# Altium PCB PCB_control_unit_1.PcbDoc (continued)
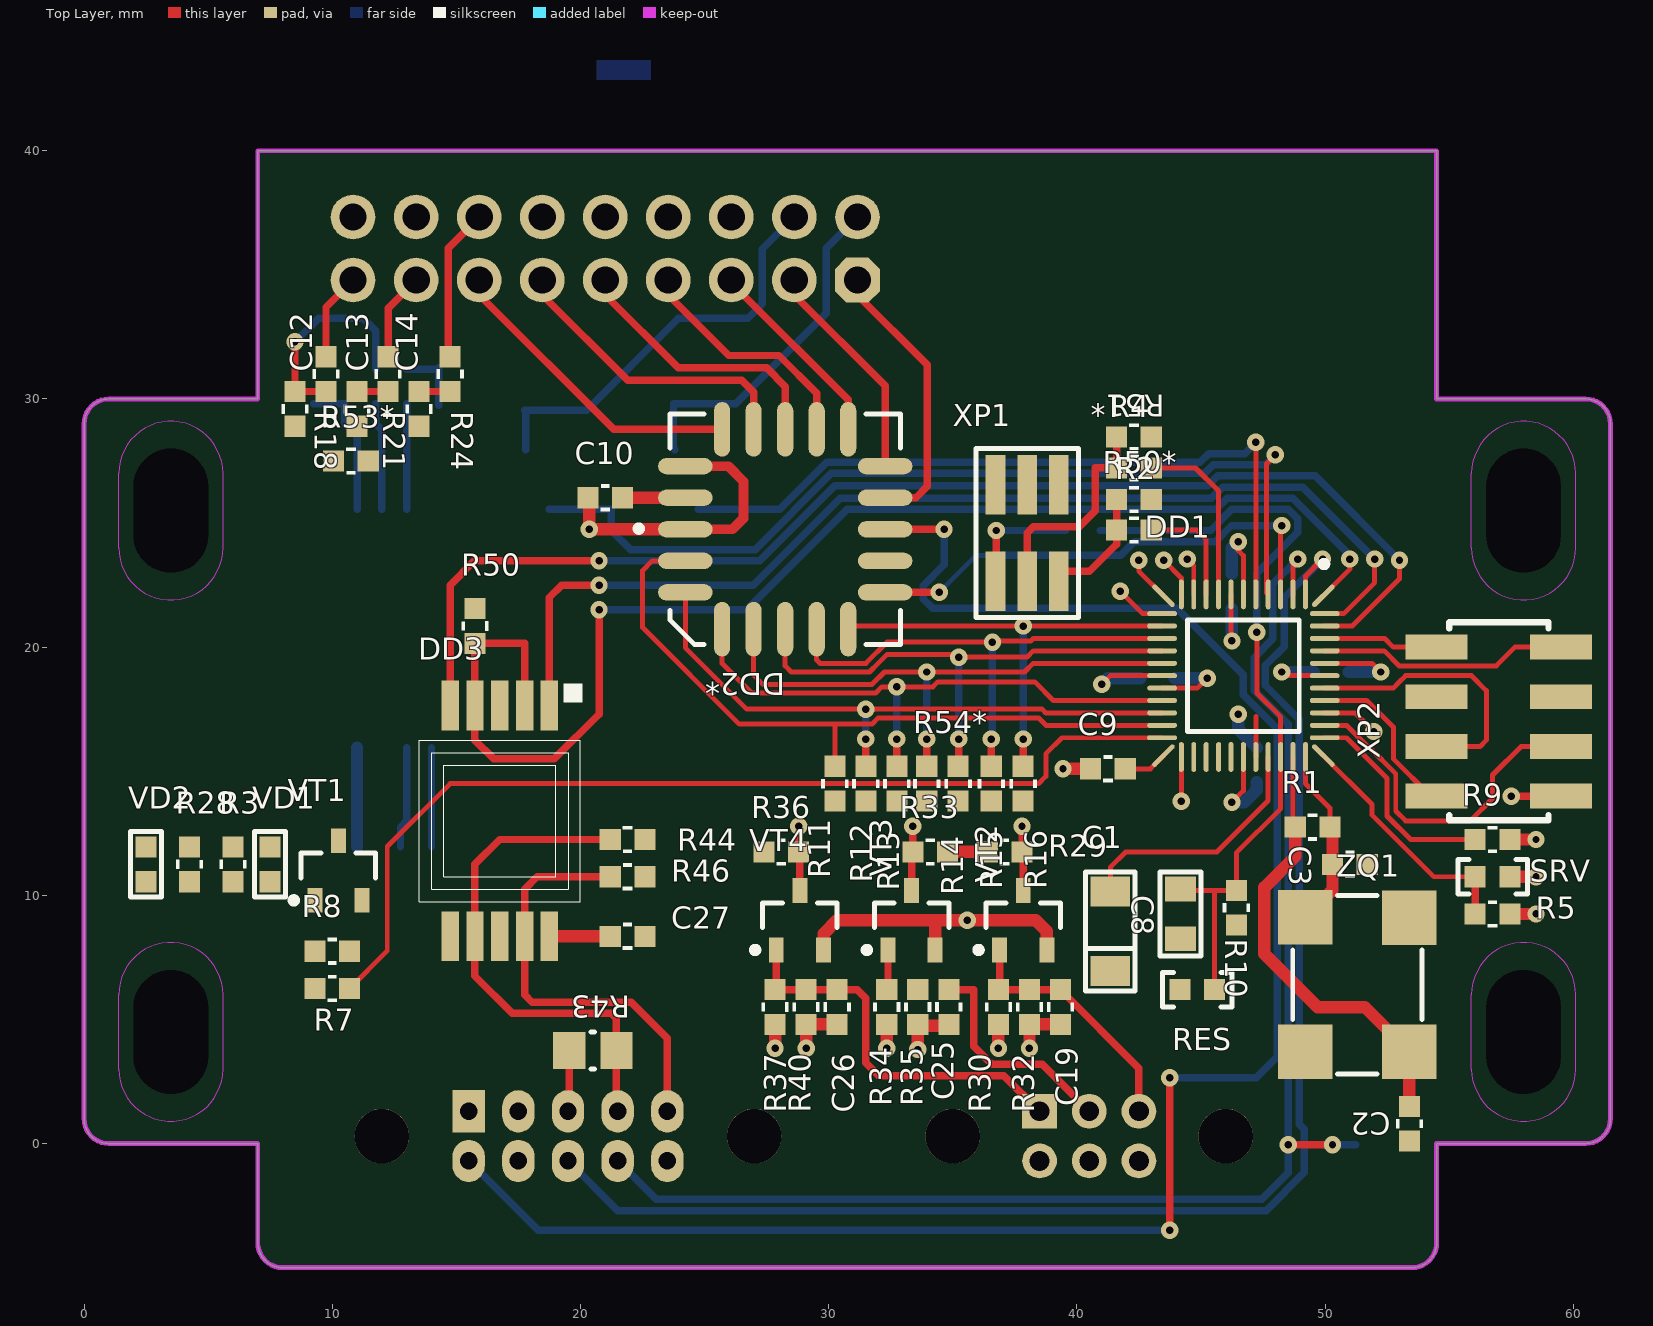
[diagram p0: Top Layer view]
## Components (designator, comment, footprint, x,y, rotation, side; value= is the part's Value field where it differs from the comment) (continued)
RES "ValueManufacturerPartNumber" "CON: JUMPER X1" 44.85,6.2 r0 top
SRV "ValueManufacturerPartNumber" "CON: JUMPER X1" 56.75,10.75 r180 top (schematic designator 1*)
VD1 "LED, 20mA max, 2.1V typ, 1608, -55...+150°C" "LED: 0603G" 7.5,11.25 r90 top
VD2 "LED, 20mA max, 2.1V typ, 1608, -55...+150°C" "LED: 0603G" 2.5,11.25 r90 top
VD3 "Diode array common anode, 50V, 200mA, 1.1V, , SOT-23," SOT23#1 52.434,0.9 r0 bottom
VT1 "NPN transistor, 30V, 100mA, , 300mW, 0.7V, 500, SOT-23 (КТ-46), -55...+125°C" SOT23#2 10.25,11 r90 top
VT2 "NPN transistor, 30V, 100mA, , 300mW, 0.7V, 500, SOT-23 (КТ-46), -55...+125°C" SOT23#2 37.842,9 r90 top
VT3 "NPN transistor, 30V, 100mA, , 300mW, 0.7V, 500, SOT-23 (КТ-46), -55...+125°C" SOT23#2 33.342,9 r90 top
VT4 "NPN transistor, 30V, 100mA, , 300mW, 0.7V, 500, SOT-23 (КТ-46), -55...+125°C" SOT23#2 28.842,9 r90 top
VT5 "NPN transistor, 30V, 100mA, , 300mW, 0.7V, 500, SOT-23 (КТ-46), -55...+125°C" SOT23#1 18.75,26.75 r270 bottom
VT6 "NPN transistor, 30V, 100mA, , 300mW, 0.7V, 500, SOT-23 (КТ-46), -55...+125°C" SOT23#1 24.75,26.75 r270 bottom
XP1 "Connector, 6pin, 1.27mm, 125VAC, 1A" "CON: PLLD-6-S" 38,24.6 r0 top
XP2 "СНП377" "CON: PLD2-8-S" 57,17 r90 top
XP4 "Вилка, 6pin, 2mm, 120VAC, 1.5A" "CON: M80-5000605" 40.5,0.3 r270 bottom locked
XP5 "Вилка, 10pin, 2mm, 100V, 1.5A" "CON: M80-5001005" 19.5,0.3 r270 bottom locked
XS1 "Connector, 18pin, 2.54mm, 500VAC, 3A" "CON: PBD-18" 10.84,37.33 r180 bottom locked
ZQ1 "Oscilator, 12MHz, CMOS, ±30ppm, case 5070, -40...+85°C" "OSC: 5070G" 49.2,3.7 r90 top

## Footprints (in the part's own frame and the unit in brackets; to place one, negate y for a bottom-side part, rotate by r counter-clockwise, add the part's x,y. Pads: shape width x height; smd on the part's side, far side on the other; paste and mask are expansions set on the pad)
16-Н04.16-1B [mm] "USSR"
  rect 0.7x4.4 smd mask+0.05: 1(-0.5,4.8) 8(-0.5,-4.8) 9(0.5,-4.8) 16(0.5,4.8)
  rect 4.4x0.7 smd mask+0.05: 2(-4.8,2.5) 3(-4.8,1.5) 4(-4.8,0.5) 5(-4.8,-0.5) 6(-4.8,-1.5) 7(-4.8,-2.5) 10(4.8,-2.5) 11(4.8,-1.5) 12(4.8,-0.5) 13(4.8,0.5) 14(4.8,1.5) 15(4.8,2.5)
  silkscreen extent -4.77,-4.77 4.77,6.4, body extent -7.84,-8 7.84,8, height 2.92
"20-QLCC (5121.20-A)" [mm] "LCC, 20-Pins, Body 8,89x8,89mmx2,55mm, Pitch 1,27mm, IPC Medium Density"
  oval 2.2x0.65 smd: 1(4.025,0) 2(4.025,1.27) 3(4.025,2.54) 9(-4.025,2.54) 10(-4.025,1.27) 11(-4.025,0) 12(-4.025,-1.27) 13(-4.025,-2.54) 19(4.025,-2.54) 20(4.025,-1.27)
  oval 0.65x2.2 smd: 4(2.54,4.025) 5(1.27,4.025) 6(0,4.025) 7(-1.27,4.025) 8(-2.54,4.025) 14(-2.54,-4.025) 15(-1.27,-4.025) 16(0,-4.025) 17(1.27,-4.025) 18(2.54,-4.025)
  silkscreen extent -4.65,-4.65 6.02,4.65, body extent -4.44,-4.45 4.45,4.44, height 2.12
"48-QLCC (МК 5162.48-1) - SMALL PADS" [mm] "QFN-cl-h-48-0.5-002 Тихонов Е.Н."
  oval 1.2x0.2 smd mask+0.1: 1(-3.275,2.5) 2(-3.275,2) 3(-3.275,1.5) 4(-3.275,1) 5(-3.275,0.5) 6(-3.275,0) 7(-3.275,-0.5) 8(-3.275,-1) 9(-3.275,-1.5) 10(-3.275,-2) 11(-3.275,-2.5) 25(3.275,-2.5) 26(3.275,-2) 27(3.275,-1.5) 28(3.275,-1) 29(3.275,-0.5) 30(3.275,0) 31(3.275,0.5) 32(3.275,1) 33(3.275,1.5) 34(3.275,2) 35(3.275,2.5)
  oval 0.2x1.2 smd rot 135 mask+0.1: 12(-3.22,-3.22) 36(3.22,3.22)
  oval 0.2x1.2 smd mask+0.1: 13(-2.5,-3.275) 14(-2,-3.275) 15(-1.5,-3.275) 16(-1,-3.275) 17(-0.5,-3.275) 18(0,-3.275) 19(0.5,-3.275) 20(1,-3.275) 21(1.5,-3.275) 22(2,-3.275) 23(2.5,-3.275) 37(2.5,3.275) 38(2,3.275) 39(1.5,3.275) 40(1,3.275) 41(0.5,3.275) 42(0,3.275) 43(-0.5,3.275) 44(-1,3.275) 45(-1.5,3.275) 46(-2,3.275) 47(-2.5,3.275)
  oval 0.2x1.2 smd rot 45 mask+0.1: 24(3.22,-3.22) 48(-3.22,3.22)
  silkscreen extent -4.62,-2.25 2.25,3.37, body extent -3,-3 3,3, height 1.61
"CAP: 0603P" [mm] "small var"
  rect 0.85x0.85 smd: 1(-0.7,0) 2(0.7,0)
  silkscreen extent -0.2,-0.55 0.2,0.55, body extent -0.8,-0.4 0.8,0.4, height 0.3
"CAP: 0805" [mm]
  rect 1x1.25 smd: 1(-1,0) 2(1,0)
  silkscreen extent -1.7,-0.82 1.7,0.82, body extent -1,-0.62 1,0.63, height 0.78
"CAP: 1812" [mm]
  rect 1.5x3.35 smd: 1(-1.925,0) 2(1.925,0)
  silkscreen extent -0.8,-1.58 0.8,1.58, body extent -2.25,-1.6 2.25,1.6, height 1.6
"CAP: TANTAL-A" [mm]
  rect 1.2x1.6 smd: 1(-1.6,0) 2(1.6,0)
  silkscreen extent -2.4,-1 2.4,1, body extent -1.7,-0.84 1.7,0.84, height 1.71
"CAP: TANTAL-B" [mm]
  rect 1.4x2.4 smd: 1(-1.6,0) 2(1.6,0)
  silkscreen extent -2.5,-1.4 2.5,1.4, body extent -1.85,-1.46 1.85,1.47, height 2.03
"CON: JUMPER X1" [mm]
  rect 0.85x0.85 smd: 1(-0.7,0) 2(0.7,0)
  silkscreen extent -1.4,-0.7 1.4,0.7
"CON: M80-5000605" [mm] "HR500"
  round 2.2 hole 2.2 unplated mask+0.1: 0(0,-5.5) 0(0,5.5)
  rect 1.4x1.4 hole 0.8: 1(-1,2)
  round 1.4 hole 0.8: 2(1,2) 3(-1,0) 4(1,0) 5(-1,-2) 6(1,-2)
  Top Layer keep-out lines w0.1: 1.75,7.25 -1.75,7.25 -1.75,3.75 1.75,3.75 1.75,7.25 ; 1.75,-3.75 -1.75,-3.75 -1.75,-7.25 1.75,-7.25 1.75,-3.75
  Bottom Layer pour cut-out: 2.2,5.5 1.982,6.455 1.372,7.22 0.49,7.645 -0.49,7.645 -1.372,7.22 -1.982,6.455 -2.2,5.5 -2.2,5.5 -1.982,4.545 -1.372,3.78 -0.49,3.355 0.49,3.355 1.372,3.78 1.982,4.545 2.2,5.5
  Bottom Layer pour cut-out: 2.2,-5.5 1.982,-4.545 1.372,-3.78 0.49,-3.355 -0.49,-3.355 -1.372,-3.78 -1.982,-4.545 -2.2,-5.5 -2.2,-5.5 -1.982,-6.455 -1.372,-7.22 -0.49,-7.645 0.49,-7.645 1.372,-7.22 1.982,-6.455 2.2,-5.5
  silkscreen extent -3,-8 3.25,8, body extent -2.78,-8 3.27,8, height 5.6
"CON: M80-5001005" [mm] "10 pin"
  round 2.2 hole 2.2 unplated: 0(0,-7.5) 0(0,7.5)
  rect 1.7x1.3 hole 0.7: 1(-1,4)
  oval 1.7x1.3 hole 0.7: 2(1,4) 3(-1,2) 4(1,2) 5(-1,0) 6(1,0) 7(-1,-2) 8(1,-2) 9(-1,-4) 10(1,-4)
  Top Layer keep-out lines w0.1: 1.75,9.25 -1.75,9.25 -1.75,5.75 1.75,5.75 1.75,9.25 ; 1.75,-5.75 1.75,-9.25 -1.75,-9.25 -1.75,-5.75 1.75,-5.75
  Bottom Layer pour cut-out: 2.2,7.5 1.982,8.455 1.372,9.22 0.49,9.645 -0.49,9.645 -1.372,9.22 -1.982,8.455 -2.2,7.5 -2.2,7.5 -1.982,6.545 -1.372,5.78 -0.49,5.355 0.49,5.355 1.372,5.78 1.982,6.545 2.2,7.5
  Bottom Layer pour cut-out: 2.2,-7.5 1.982,-6.545 1.372,-5.78 0.49,-5.355 -0.49,-5.355 -1.372,-5.78 -1.982,-6.545 -2.2,-7.5 -2.2,-7.5 -1.982,-8.455 -1.372,-9.22 -0.49,-9.645 0.49,-9.645 1.372,-9.22 1.982,-8.455 2.2,-7.5
  silkscreen extent -3,-9.97 3.25,9.97, body extent -2.78,-10 3.27,10, height 5.6
"CON: PBD-18" [mm] "PBD-18"
  oct 1.8x1.8 hole 1.1: 1(-20.32,-2.54)
  round 1.8 hole 1.1: 2(-20.32,0) 3(-17.78,-2.54) 4(-17.78,0) 5(-15.24,-2.54) 6(-15.24,0) 7(-12.7,-2.54) 8(-12.7,0) 9(-10.16,-2.54) 10(-10.16,0) 11(-7.62,-2.54) 12(-7.62,0) 13(-5.08,-2.54) 14(-5.08,0) 15(-2.54,-2.54) 16(-2.54,0) 17(0,-2.54) 18(0,0)
  silkscreen extent -21.74,-3.95 1.42,1.41, body extent -21.59,-3.81 1.27,1.27, height 8.5
"CON: PLD2-8-S" [mm] "двухрядные штыри, шаг 2мм; SMD"
  rect 1x2.5 smd mask+0.1: 1(3,2.5) 2(3,-2.5) 3(1,2.5) 4(1,-2.5)
  rect 1x2.5 smd: 5(-1,2.5) 6(-1,-2.5) 7(-3,2.5) 8(-3,-2.5)
  silkscreen extent -3.97,-2 4,2, body extent -4,-3.1 4,3.1, height 6
"CON: PLLD-6-S" [mm] "smd 6 pin"
  rect 0.8x2.4 smd: 1(-1.27,-1.95) 2(-1.27,1.95) 3(0,-1.95) 4(0,1.95) 5(1.27,-1.95) 6(1.27,1.95)
  round 0.5 on Mech1: ""(-2.75,-2)
  round 0.5 on Top Overlay: ""(-2.75,-2)
  silkscreen extent -2.06,-3.4 2.06,3.4, body extent -1.9,-2.77 1.9,2.8, height 4.4
"IND: 0603" [mm]
  rect 0.85x0.85 smd: 1(-0.7,0) 2(0.7,0)
  silkscreen extent -1.33,-0.63 1.33,0.63, body extent -0.8,-0.4 0.8,0.4, height 0.8
KT-93-1 [mm]
  rect 7.7x6.1 smd mask+0.075: 1(0,2)
  rect 2.9x3.5 smd mask+0.075: 2(1.905,-3.35) 3(-1.905,-3.35)
  silkscreen extent -4.25,-5.5 4.25,5.25, body extent -3.75,-5.07 3.75,5.03, height 3
"LED: 0603G" [mm]
  rect 0.85x0.85 smd: 1(-0.7,0) 2(0.7,0)
  silkscreen extent -1.33,-0.63 1.33,0.63, body extent -0.8,-0.4 0.8,0.4, height 0.6
NetTie_0603 [mm]
  rect 0.85x0.85 smd: 1(-0.7,0) 2(0.7,0)
  Top Layer region: -1.1,0.4 1.1,0.4 1.1,-0.4 -1.1,-0.4
"OSC: 5070G" [mm]
  rect 2.2x2.2 smd: 1(0,-4.2) 2(5.4,-4.2) 3(5.41,0) 4(0,0)
  round 0.5 on Top Overlay: ""(-1.5,-4.7)
  silkscreen extent -0.9,-4.7 6.3,0.5, body extent -0.8,-4.6 6.2,0.4, height 1.51
"RES: 0603P" [mm] "small footprint"
  rect 0.85x0.85 smd: 1(-0.7,0) 2(0.7,0)
  silkscreen extent -0.2,-0.55 0.2,0.55, body extent -0.8,-0.4 0.8,0.4, height 0.44
"RES: 0805P" [mm] "small footprint"
  rect 1.3x1.5 smd: 1(-0.95,0) 2(0.95,0)
  Top Layer pour cut-out: -0.25,-0.75 -0.25,0.75 0.25,0.75 0.25,-0.75
  silkscreen extent -0.08,-0.75 0.08,0.75, body extent -1,-0.62 1,0.63, height 0.6
SOT23#1 [mm]
  rect 1x0.6 smd: 1(-1.2,0.95) 2(-1.2,-0.95) 3(1.2,0)
  round 0.5 on Mech2: ""(-0.9,1.1)
  silkscreen extent -1.32,-1.5 0.7,1.92, body extent -1.32,-1.52 1.32,1.52, height 1.12
SOT23#2 [mm]
  rect 1x0.6 smd: 1(-1.2,0.95) 2(-1.2,-0.95) 3(1.2,0)
  round 0.5 on Mech1: ""(-0.9,1.1)
  silkscreen extent -1.32,-1.5 0.7,1.92, body extent -1.32,-1.52 1.32,1.52, height 1.12
Н02.8-1В [mm] "USSR"
  rect 2x0.7 smd mask+0.05: 1(-4.65,2) 2(-4.65,1) 3(-4.65,-1) 4(-4.65,-2) 5(4.65,-2) 6(4.65,-1) 7(4.65,1) 8(4.65,2) 9(-4.65,0) 10(4.65,0)
  silkscreen extent -5.53,-3.25 3.25,3.32, body extent -4.75,-3.25 4.75,3.25, height 2.85

## Part data
C1 C30: library part Tantal_A, Manufacturer=Элеконд, Package="case A (3216)", PartNumber="К53-68 \"А\"-10 В-4.7 мкф", Temperature=-55...+125°C, Tolerance=±10%, TypeCapacitor="Tantalum capacitor", TypeDielectric=X7R, Voltage=10V, HelpURL=https://www.digikey.com/product-detail/en/avx-corporation/F930J107KAAAJ6/478-12404-1-ND/9645231, Impedance=2Ohm, MAX=00130629, ValueManufacturerPartNumber="Tantalum capacitor, 4.7мк, 10V, ±10%, 2Ohm, case A (3216), -55...+125°C"
C2 C3: library part Ceramic_0603, Manufacturer=Монолит, Package=0603, PartNumber="К10-84в-1608М-50В-10 пФ ±5%-МП0-N-A", Temperature=-55...+125°C, Tolerance=±5%, TypeCapacitor="Ceramic capacitor", TypeDielectric=МП0, Voltage=50V, Analog="00133079 (pin-to-pin)", ValueManufacturerPartNumber="Ceramic capacitor, 10, МП0, ±5%, 50V, 0603, -55...+125°C"
C4 C5 C6 C7 C9 C10 C11 C13 C14 C15 C18 C20 C22 C27 C29: library part Ceramic_0603, Manufacturer=Гириконд, Package=0603, PartNumber="К10-79-10В-0,1 мкФ +80-20% H90", Temperature=-55...+125°C, Tolerance=+80-20%, TypeCapacitor="Ceramic capacitor", TypeDielectric=H90, Voltage=10V, HelpURL=http://www.giricond.ru/files/k10-79_vp_2018_saiyt.pdf, ValueManufacturerPartNumber="Ceramic capacitor, 0.1мк, H90, +80-20%, 10V, 0603, -55...+125°C"
  C4 C5 C6 C7 C9 C10 C11 C13 C14: MAX=00131675
C8: library part Ceramic_5750M, Manufacturer=Монолит, Package="0805 (2012M)", PartNumber="К10-84в-1608М-25В-220 нФ +80/-20%-Н90-N-A", Temperature=-55...+125°C, Tolerance=+80/-20%, TypeCapacitor="Ceramic capacitor", TypeDielectric=H90, Voltage=25V, Analog="MAX 00131682 (pin-to-pin)", ValueManufacturerPartNumber="Ceramic capacitor, 0.22мк, H90, +80/-20%, 25V, 0805 (2012M), -55...+125°C"
C12 C19 C25 C26 C28 C31 C32*: library part Ceramic_0603, Manufacturer=Монолит, Package=0603, PartNumber="К10-84в-1608М-50В-0.01мк ±20%-Н20-N-A", Temperature=-55...+125°C, Tolerance=±20%, TypeCapacitor="Ceramic capacitor", TypeDielectric=H20, Voltage=50V, Analog="MAX 00131676 (pin-to-pin)", HelpURL=http://www.monolit.vitebsk.by/Files/K10-84.pdf, ValueManufacturerPartNumber="Ceramic capacitor, 0.01мк, H20, ±20%, 50V, 0603, -55...+125°C"
C16 C17 C23 C24: library part Ceramic_1812, Manufacturer=Монолит, Package="1812 (4532М) (4.5x3.2)", PartNumber="К10-84в-4532М-25В-4,7 мкФ +80/-20%-Н90-N-A", Temperature=-55...+125°C, Tolerance="+80 -20%", TypeCapacitor="Ceramic capacitor", TypeDielectric=H90, Voltage=25V, HelpURL=http://www.monolit.vitebsk.by/Files/K10-84.pdf, ValueManufacturerPartNumber="Ceramic capacitor, 4.7мк, H90, +80 -20%, 25V, 1812 (4532М) (4.5x3.2), -55...+125°C"
C21: library part Tantal_B, Manufacturer="\"Элеконд\"", Package="case B (3528)", PartNumber="К53-68 В-10 В-15 мкФ ±10%", Temperature=-55...+125°C, Tolerance=±10%, TypeCapacitor="Tantalum capacitor", Voltage=10V, MAX=00130628, ValueManufacturerPartNumber="Tantalum capacitor, 15мк, 10V, ±10%, , case B (3528), -55...+125°C"
DA1: library part 5545СА2У3, "Comparator USSR", Manufacturer="НПП ВОСТОК", Package=Н04.16-1В, Temperature=-60...+125°C, Analog=LM2903D, ComponentType="IC comparator", HelpURL=http://www.vostok.nsk.su/files/pdf/152181836987_5545ca2u3.pdf, OutputType="Open Drain", PartNumber=5545СА2У3, Supply="от ± 1,5В до ± 16,5В", TY="АЕЯР.431350.632-02 ТУ", ValueManufacturerPartNumber="IC comparator, Open Drain, от ± 1,5В до ± 16,5В, -60...+125°C, Н04.16-1В"
DA2: library part 1325ЕР1У, "Linear voltage regulator 3V3", CurrentOutput=0.8A, Manufacturer=Интеграл, Package=КТ-93-1, PartNumber=1325ЕН3.3У, Temperature=-40...+85°C, VoltageInput="input 4.75...15V", VoltageOutput="output 3.3V", ComponentType="Linear voltage regulator", HelpURL=https://www.integral.by/sites/default/files/pdf/specifikaciya_serii_1325.pdf, MAX=00141284, MaxDropout=1.3V, ValueManufacturerPartNumber="Linear voltage regulator, input 4.75...15V, 1.3V, output 3.3V, 0.8A, -40...+85°C, КТ-93-1"
DD1: library part 1921ВК035, "Cortex-M4F", Manufacturer=НИИЭТ, Package="48-QLCC (МК 5162.48-1)", Temperature=-60...+85°C, ComponentType="Motor control microcontroller", CoreProcessor=RISC, CoreSize=32-Bit, HelpURL=https://niiet.ru/goods/tranzmod/newtr, MemoryRAM=16KB, MemoryROM=64KB, PartNumber=1921ВК035, Speed=100MHz, Supply="3,3 В ± 10 %.", ValueManufacturerPartNumber="Motor control microcontroller, 32-Bit, RISC, 100MHz, 64KB, 16KB, 3,3 В ± 10 %., -60...+85°C, 48-QLCC (МК 5162.48-1)"
DD2*: library part 5514БЦ1У2-541, "USSR Buffer QFN", Manufacturer=Анстрем, Package=5121.20-A, Temperature=-60...+125°C, Analog="функц.-й аналог 74(54)HC 541", ComponentType="8 канальный буфер", PartNumber=5514БЦ1У2-541, Supply=4.5..5.5V, ValueManufacturerPartNumber="8 канальный буфер, 4.5..5.5V, -60...+125°C, 5121.20-A"
DD3: "RS485 USSR", Manufacturer=Миландр, Package=Н02.8-1В, DataRate="30 Mbs", HelpURL=https://ic.milandr.ru/products/interfeysnye_mikroskhemy/rs485-rs422/5559in28u/, MAX=00148111, PartNumber=5559ИН28У, Supply=3-5V, Type="RS-485 transceiver"
L1 L2: library part Inductor_0603, Manufacturer=ЭРКОН, MaxCurrent=400mA, Package=0603, PartNumber="КИФ1608-1000 нГн ±20% О-А РКМУ.671340.002 ТУ", Temperature=-55...+125°C, Tolerance=±20%, TypeInductor="Fixed inductor", HelpURL=https://www.erkon-nn.ru/catalog/14/kif-vp/, R="0,8 Ом", ValueManufacturerPartNumber="Fixed inductor, 1мк, ±20%, 0603, 400mA, -55...+125°C"
NT1: library part NetTie
R1: library part Resistor_0603, Manufacturer="ОАО Ресурс", Package=0603, PartNumber="Р1-12-0,1ум.-1~МОм ±5%-М ШКАБ.434110.002 ТУ", Power=0.1W, Temperature=-55...+125°C, Tolerance=±5%, TypeResistor="Resistor film", HelpURL=https://aoresurs.com/catalog/chip_rezistory/rezistory-r1-12-kategoriya-kachestva-vp-/, MAX=00133970, ValueManufacturerPartNumber="Resistor film, 1М, ±5%, 0603, 0.1W, -55...+125°C"
R2 R4 R6: library part Resistor_0603, Manufacturer="ОАО Ресурс", Package=0603, PartNumber="Р1-12-0,1ум.-22~Ом ±5%-М ШКАБ.434110.002 ТУ", Power=0.1W, Temperature=-55...+125°C, Tolerance=±5%, TypeResistor="Resistor film", HelpURL=https://aoresurs.com/catalog/chip_rezistory/rezistory-r1-12-kategoriya-kachestva-vp-/, MAX=00134024, ValueManufacturerPartNumber="Resistor film, 22, ±5%, 0603, 0.1W, -55...+125°C"
R3: library part Resistor_0603, Manufacturer="ОАО Ресурс", Package=0603, PartNumber="Р1-12-0,1ум.-680~Ом ±5%-М ШКАБ.434110.002 ТУ", Power=0.1W, Temperature=-55...+125°C, Tolerance=±5%, TypeResistor="Resistor film", HelpURL=https://aoresurs.com/catalog/chip_rezistory/rezistory-r1-12-kategoriya-kachestva-vp-/, MAX=00134086, ValueManufacturerPartNumber="Resistor film, 680, ±5%, 0603, 0.1W, -55...+125°C"
R5 R7 R8 R9 R11 R12 R13 R14 R15 R16 R17 R20 R22 R25 R26 R29 R32 R33 R35 R36 R38 R39 R40 R41 R45 R47 R49 R50 R50* R51* R52* R54*: library part Resistor_0603, Manufacturer="ОАО Ресурс", Package=0603, PartNumber="Р1-12-0,1ум.-10~кОм ±5%-М ШКАБ.434110.002 ТУ", Power=0.1W, Temperature=-55...+125°C, Tolerance=±5%, TypeResistor="Resistor film", HelpURL=https://aoresurs.com/catalog/chip_rezistory/rezistory-r1-12-kategoriya-kachestva-vp-/, ValueManufacturerPartNumber="Resistor film, 10k, ±5%, 0603, 0.1W, -55...+125°C"
  R5 R7 R8 R9 R50* R51*: Analog="MAX 00133985"
  R11 R12 R13 R14 R15 R16 R17 R20 R22 R25 R26 R29 R32 R33 R35 R36 R38 R39 R40 R41 R45 R47 R49 R50 R52* R54*: Analog="MAX 00133986 (1%)"
R10 R53*: library part Resistor_0603, Manufacturer="ОАО Ресурс", Package=0603, PartNumber="Р1-12-0,1ум.-100~кОм ±5%-М ШКАБ.434110.002 ТУ", Power=0.1W, Temperature=-55...+125°C, Tolerance=±5%, TypeResistor="Resistor film", Analog="MAX 00122851", HelpURL=https://aoresurs.com/catalog/chip_rezistory/rezistory-r1-12-kategoriya-kachestva-vp-/, ValueManufacturerPartNumber="Resistor film, 100k, ±5%, 0603, 0.1W, -55...+125°C"
R18 R21 R24: library part Resistor_0603, Manufacturer="ОАО Ресурс", Package=0603, PartNumber="Р1-12-0,1ум.-100~Ом ±5%-М ШКАБ.434110.002 ТУ", Power=0.1W, Temperature=-55...+125°C, Tolerance=±5%, TypeResistor="Resistor film", HelpURL=https://aoresurs.com/catalog/chip_rezistory/rezistory-r1-12-kategoriya-kachestva-vp-/, MAX=00133991, ValueManufacturerPartNumber="Resistor film, 100, ±5%, 0603, 0.1W, -55...+125°C"
R19 R27 R30 R31 R34 R37 R42 R44 R46 R48: library part Resistor_0603, Manufacturer="ОАО Ресурс", Package=0603, PartNumber="Р1-12-0,1ум.-1~кОм ±1%-М ШКАБ.434110.002 ТУ", Power=0.1W, Temperature=-55...+125°C, Tolerance=±1%, TypeResistor="Resistor film", HelpURL=https://aoresurs.com/catalog/chip_rezistory/rezistory-r1-12-kategoriya-kachestva-vp-/, MAX=00133971, ValueManufacturerPartNumber="Resistor film, 1k, ±1%, 0603, 0.1W, -55...+125°C"
R23*: library part Resistor_0603, Manufacturer="ОАО Ресурс", Package=0603, PartNumber="Р1-12-0,1ум.-4.02~кОм ±1%-М ШКАБ.434110.002 ТУ", Power=0.1W, Temperature=-55...+125°C, Tolerance=±1%, TypeResistor="Resistor film", HelpURL=https://aoresurs.com/catalog/chip_rezistory/rezistory-r1-12-kategoriya-kachestva-vp-/, MAX=00134054, ValueManufacturerPartNumber="Resistor film, 4.02k, ±1%, 0603, 0.1W, -55...+125°C"
R28: library part Resistor_0603, Manufacturer="ОАО Ресурс", Package=0603, PartNumber="Р1-12-0,1ум.-680~кОм ±5%-М ШКАБ.434110.002 ТУ", Power=0.1W, Temperature=-55...+125°C, Tolerance=±5%, TypeResistor="Resistor film", HelpURL=https://aoresurs.com/catalog/chip_rezistory/rezistory-r1-12-kategoriya-kachestva-vp-/, MAX=00134086, ValueManufacturerPartNumber="Resistor film, 680, ±5%, 0603, 0.1W, -55...+125°C"
R43: library part Resistor_0805, Manufacturer=Русские, Package=0805, PartNumber="Р1-12-0.125-120 Ом±5%-М", Power=0.125W, Temperature=-55...+125°C, Tolerance=±5%, TypeResistor="Resistor film", MAX=00133848, ValueManufacturerPartNumber="Resistor film, 120, ±5%, 0805, 0.125W, -55...+125°C"
RES: library part Jumper_single, Manufacturer="ОАО \"Карачевский завод \"Электродеталь\"", PartNumber=СНП377-2ВП21-1-02-04, Analog="MAX 00148900 (PLS2-2)", CommentText=reset, HelpURL=http://www.elektrodetal.com/product/soediniteli-dlya-pechatnyh-plat/snp377.html, MAX=00124338, Pitch=2mm, Type="штыри 2 пина в отв."
SRV: library part Jumper_single, Manufacturer="ОАО \"Карачевский завод \"Электродеталь\"", PartNumber="СНП391-2ВП21-1 РЮМК.430420.036 ТУ", Analog="PLL1.27 (MAX 00150250 с доработкой до 2 пинов)", CommentText="Erase FLASH", HelpURL=http://www.elektrodetal.com/product/soediniteli-dlya-pechatnyh-plat/snp377.html, Pitch=1.27mm, Type="штыри 2 пина в отв."
VD1 VD2: library part LED_single, Color=GREEN, Current="20mA max", Manufacturer=Протон, Package=1608, PartNumber=ИПД169А9-Л, Temperature=-55...+150°C, VoltageDrop="2.1V typ", Analog="MAX 00129484 КР-1608 Kingbright (pin-to-pin)", TypeDiode=LED, ValueManufacturerPartNumber="LED, 20mA max, 2.1V typ, 1608, -55...+150°C"
  VD1: CommentText=TEST
  VD2: CommentText=5V
VD3: library part Diode_array2, Current=200mA, Manufacturer=Россия, Package=SOT-23, PartNumber=2Д803АС9, Voltage=50V, VoltageDrop=1.1V, HelpURL=https://www.chipdip.ru/product/2d803as9, MAX=00122900, TypeDiode="Diode array common anode", ValueManufacturerPartNumber="Diode array common anode, 50V, 200mA, 1.1V, , SOT-23,"
VT1 VT2 VT3 VT4 VT5 VT6: library part BJT_NPN_132, CurrentCE=100mA, CurrentGain=500, Manufacturer="ООО НПК Далекс", MaxPower=300mW, Package="SOT-23 (КТ-46)", PartNumber=2Т3130Б9, Temperature=-55...+125°C, VoltageCE=30V, VoltageSaturation=0.7V, HelpURL=http://www.radioman-portal.ru/sprav/pp/transisters/sourse/2t3130.pdf, MAX=00123842, TypeTransistor="NPN transistor", ValueManufacturerPartNumber="NPN transistor, 30V, 100mA, , 300mW, 0.7V, 500, SOT-23 (КТ-46), -55...+125°C"
XP1: library part PLLD1.27-6_1, "аналог СНП391-6ВП41-2", CurrentMax=1A, Manufacturer=Электроделать, PartNumber="СНП391-6ВП41-2 РЮМК.430420.036 ТУ", VoltageMax=125VAC, Analog="MAX 00130684 c доработкой до 6 пинов", CommentText=СНП391, HelpURL=https://www.elektrodetal.com/catalog/snp391/, Multichannel=6pin, Pitch=1.27mm, TypeConnector=Connector, ValueManufacturerPartNumber="Connector, 6pin, 1.27mm, 125VAC, 1A"
XP2: library part PLD2-8-S, "СНП377-8ВП41-2 SMD", Manufacturer="ОАО \"Карачевский завод \"Электродеталь\"", PartNumber=СНП377-8ВП41-2, Analog=PLD2-8-S, HelpURL=https://www.elektrodetal.com/catalog/snp377/, Pitch=2mm, TU="РЮМК.430420.017 ТУ", Type=Вилка
XP4: library part "M80-5000605 Harwin", "вилка на плату", CurrentMax=1.5A, Manufacturer=Электроделать, PartNumber=СНП401-6ВП21-3-1-1, VoltageMax=120VAC, Analog="MAX 00126397 (M80-5000605 pin-to-pin)", CommentText=СНП401, HelpURL=https://eu.mouser.com/ProductDetail/Harwin/M80-5000605?qs=yQtJ9TWM%2F1KaJIUUBEXorg%3D%3D, Multichannel=6pin, Pitch=2mm, TypeConnector=Вилка, ValueManufacturerPartNumber="Вилка, 6pin, 2mm, 120VAC, 1.5A"
XP5: library part "M80-5001005 Harwin", "вилка на плату", CurrentMax=1.5A, Manufacturer=Электродеталь, PartNumber=СНП401-10ВП21-3-1-1, VoltageMax=100V, Analog="MAX 00126377 (M80-5001042 pin-to-pin)", CommentText=СНП401, HelpURL=https://eu.mouser.com/ProductDetail/Harwin/M80-5001005?qs=yQtJ9TWM%2F1KRz59nPe3lqQ%3D%3D, Multichannel=10pin, Pitch=2mm, TypeConnector=Вилка, ValueManufacturerPartNumber="Вилка, 10pin, 2mm, 100V, 1.5A"
XS1: library part PBD-18, CurrentMax=3A, Manufacturer=Электродеталь, PartNumber="СНП393-18РП21-2 РЮМК.430420.035 ТУ", VoltageMax=500VAC, Analog="MAX 00135030 с доработкой до 18-pin", CommentText=СНП393, HelpURL=https://www.elektrodetal.com/catalog/snp393/, Multichannel=18pin, Pitch=2.54mm, TypeConnector=Connector, ValueManufacturerPartNumber="Connector, 18pin, 2.54mm, 500VAC, 3A"
ZQ1: library part Oscilator_5070, Frequency=12MHz, LoadCapacitance=CMOS, Manufacturer="ОАО \"Морион\"", Package="case 5070", PartNumber="SMD РК386М-Т1-4ВН-12М-В 6321-004-07614320-96 ТУ", Temperature=-40...+85°C, Tolerance=±30ppm, HelpURL=http://www.morion.com.ru/rus/crystals/, MAX=00149842, TypeOscilator=Oscilator, ValueManufacturerPartNumber="Oscilator, 12MHz, CMOS, ±30ppm, case 5070, -40...+85°C"

## Free pads (board coordinates)
  round 0 hole 3 slot 5 at 90 deg unplated mask+0.2: 1(3.5,4.5) 1(58,4.5) 1(58,25.5)
  round 2.7 hole 3 slot 5 at 90 deg unplated mask+0.2: 1(3.5,25.5)

## Via types
v1: diameter 0.7, hole 0.3, Top Layer to Bottom Layer, tented both sides, 62 vias

## Nets (pads, with @x,y where several pads share a name; then routed paths per layer and width w, separated by ;. In a path a pad name is that pad's centre, name@x,y a point inside that pad or via, vN(x,y) a via of type N, cw(c..) or ccw(c..) an arc to the next point about the centre after c; other vN are vias at no path point)
5VTEST: C18.2 DD1.29 R27.2 R31.1
15DC_IN: R24.1 XS1.14 | length 6.2
  Top Layer w0.3: R24.1 14.67,31.7 14.67,36.08 XS1.14
15VTEST: C14.2 DD1.28 R24.2 | length 1.2
  Top Layer w0.3: C14.2 R24.2
+3.3V(A): C9.2 C24.2 DD1.24 L2.1 R19.1 R20.1 R25.2 XS1.16 | length 1.8
  Top Layer w0.2: C9.2 42.961,15.1 DD1.24
+3.3V(D): C4.2 C5.2 C6.2 C7.2 C21.2 C22.2 C23.2 C27.1 DA2.1 DD1.7 DD1.19 DD1.31 DD1.42 DD3.8 L2.2 R9.1 R10.2 R29.1 R33.1 R36.1 R38.1 R39.1 R41.1 R44.1 R47.1 R50*.1 SRV.1 VD3.3 XP1.2 XP2.3 | length 19
  Top Layer w0.2: DD1.19 44.85,18.35 v1(45.25,18.75) ; DD1.7 46.211,20.289 v1(46.25,20.25) ; DD1.31 47.211,17.211 ; v1(48.25,19) 48.4,18.85 DD1.42
  Top Layer w0.5: DD3.8 C27.1 ; R33.1 R29.1 ; SRV.1 v1(58.5,10.75) ; R9.1 v1(58.5,12.25)
  Bottom Layer w0.5: C4.2 v1(45.25,18.75) ; v1(46.25,20.25) C5.2 ; v1(46.5,17.3) 46.5,16.7 C7.2 ; v1(48.25,19) C6.2
+5V: C10.2 DD2*.20 XS1.6 | length 2.5
  Top Layer w0.5: C10.2 DD2*.20
+5V(A): C11.2 C17.2 DA1.14 L1.1 R27.1 | length 4
  Bottom Layer w0.5: C11.2 DA1.14
+5V(D): C15.2 C16.2 C20.2 C29.2 C30.1 DA2.2 L1.2 R3.1 R28.1 R30.1 R34.1 R37.1 R42.1 R48.1 XP4.4 XP5.1 | length 2.9
  Top Layer w0.5: v1(27.842,3.839) R37.1 ; v1(32.342,3.839) R34.1 ; v1(36.842,3.839) R30.1
\R\E\S\E\T\: C8.2 DD1.33 R6.1 R10.1 RES.2 | length 31.5
  Top Layer w0.2: C8.2 44.221,10.2 45.5,10.2 ; RES.2 45.55,10.15 45.5,10.2 ; v1(47.25,20.6) 47.25,18.152 48.211,17.191 DD1.33 48.211,13.494 46.429,11.712 R10.1 45.5,10.2
  Bottom Layer w0.3: R6.1 45.394,24.7 46.244,25.55 48.519,25.55 48.9,25.169 48.9,24.631 47.25,22.981 v1(47.25,20.6)
A_P: DD3.6 R43.2 R44.2 XP5.7 | length 20.5
  Top Layer w0.3: R44.2 16.75,12.25 15.75,11.25 DD3.6 15.75,6.75 17.25,5.25 21.25,5.25 21.45,5.05 R43.2 21.45,1.35 XP5.7
ADR0: DD1.1 R38.2 VD3.2 XP5.6 | length 59.2
  Top Layer w0.2: DD1.1 49.211,22.861 v1(49.9,23.55)
  Bottom Layer w0.3: XP5.6 21.5,-2.7 47.631,-2.7 49.169,-1.162 49.169,0.581 48.969,0.781 48.969,17.086 47.6,18.456 47.6,19.269 48.35,20.019 48.35,22 v1(49.9,23.55)
ADR1: DD1.2 R39.2 VD3.1 XP5.8 | length 58.3
  Top Layer w0.2: DD1.2 48.711,23.361 v1(48.9,23.55)
  Top Layer w0.3: v1(48.519,-0.05) v1(50.3,-0.05)
  Bottom Layer w0.3: XP5.8 23.05,-2.25 47.445,-2.25 48.519,-1.176 v1(48.519,-0.05) 48.519,16.9 47.15,18.269 47.15,19.581 47.9,20.331 47.9,22.55 v1(48.9,23.55) ; v1(50.3,-0.05) VD3.1
AGND: C9.1 C11.1 C12.2 C13.1 C14.1 C17.1 C18.1 C24.1 C32*.2 DA1.6 DD1.25 NT1.2 R23*.2 R26.2 R31.2 XS1.18 | length 2.9
  Top Layer w0.2: v1(44.211,13.789) DD1.25
  Top Layer w0.5: v1(39.442,15.1) C9.1
B_N: DD3.7 R46.1 XP5.9 XP5.10 | length 17.3
  Top Layer w0.3: R46.1 18.25,10.75 17.75,10.25 DD3.7 17.75,6 18.05,5.7 22.05,5.7 23.5,4.25 XP5.9
DC_MOSFET: DD2*.11 XP5.2 | length 75.9
  Top Layer w0.3: DD2*.11 v1(34.65,24.75) ; v1(43.75,-3.5) v1(43.75,2.651)
  Bottom Layer w0.3: XP5.2 18.3,-3.5 v1(43.75,-3.5) ; v1(34.65,24.75) 34.65,23.319 33.81,22.479 33.81,21.941 34.191,21.56 44.021,21.56 46.7,18.881 46.7,18.083 48.069,16.714 48.069,3.5 47.221,2.651 v1(43.75,2.651)
DC_MOSFET_TTL: DD1.3 DD2*.9 R17.1 | length 19.9
  Top Layer w0.2: DD1.3 48.211,24.861 v1(48.25,24.9)
  Top Layer w0.3: DD2*.9 v1(34.46,22.21)
  Bottom Layer w0.2: v1(34.46,22.21) 35.95,23.7 R17.1
  Bottom Layer w0.3: R17.1 41.766,23.7 42.316,24.25 45.581,24.25 46.231,24.9 v1(48.25,24.9)
DE1(RS): DD1.48 DD3.2 DD3.3 R50.1 | length 53.6
  Top Layer w0.2: DD1.48 51,23.139 v1(51,23.55)
  Top Layer w0.3: DD3.2 17.75,20.15 R50.1 DD3.3 15.75,16.25 16.5,15.5 18.951,15.5 20.75,17.299 v1(20.75,21.5)
  Bottom Layer w0.3: v1(20.75,21.5) 26.7,21.5 30.75,25.55 45.608,25.55 46.058,26 48.706,26 v1@51,23.706
DGND: C1.1 C2.2 C3.2 C4.1 C5.1 C6.1 C7.1 C8.1 C10.1 C15.1 C16.1 C19.2 C20.1 C21.1 C22.1 C23.1 C25.2 C26.2 C27.2 C28.2 C29.1 C30.2 C31.2 DA2.3 DD1.6 DD1.18 DD1.30 DD1.43 DD2*.1 DD2*.10 DD2*.19 DD3.5 DD3.9 NT1.1 R5.2 R8.1 R11.2 R12.2 R13.2 R14.2 R15.2 R16.2 R17.2 R32.1 R35.1 R40.1 R45.1 R46.2 R49.1 R50.2 R51*.1 R54*.2 RES.1 VD2.2 VT1.2 VT2.2 VT3.2 VT4.2 VT5.2 VT6.2 XP1.4 XP1.6 XP2.4 XP4.2 XP5.3 XP5.4 XS1.8 | length 46.3
  Top Layer w0.2: v1(41,18.5) 41.35,18.85 DD1.18 ; v1(46.25,13.75) 46.711,14.211 DD1.30 ; v1(46.5,24.25) 46.5,23.9 46.711,23.689 DD1.6 ; DD1.43 51.9,19.35 v1(52.25,19)
  Top Layer w0.4: DD2*.1 26.13,24.75 26.571,25.191 26.571,26.679 25.96,27.29 DD2*.19
  Top Layer w0.5: C10.1 20.35,25.97 v1(20.35,24.75) DD2*.1 ; v1(29.092,3.839) R40.1 C26.2 ; VT4.2 29.792,8.45 30.342,9 v1(35.592,9) 38.342,9 38.792,8.55 VT2.2 ; v1(33.592,3.789) 33.592,4.75 C25.2@34.63,4.75 ; VT3.2 34.292,8.95 ; v1(38.092,3.839) R32.1 C19.2 ; R5.2 v1(58.5,9.25)
  Bottom Layer w0.5: v1(41,18.5) 41.25,18.75 C4.1 ; v1(46.25,13.75) 46.75,13.75 47.25,14.25 C7.1 ; C5.1 46.25,24 v1(46.5,24.25) ; C6.1 v1(52.25,19)
DI1(RS): DD1.46 DD3.4 | length 50.9
  Top Layer w0.2: DD1.46 51.1,20.85 53,22.75 v1(53,23.5)
  Top Layer w0.3: DD3.4 14.75,22.5 15.73,23.48 v1(20.75,23.48)
  Bottom Layer w0.3: v1(20.75,23.48) 27.23,23.48 30.25,26.5 45.285,26.5 45.685,26.9 49.6,26.9 v1(53,23.5)
HALL_A: DD1.10 R29.2 VT2.3 | length 4.2
  Top Layer w0.2: v1(44.444,23.55) 44.711,23.283 DD1.10
  Top Layer w0.3: v1(37.792,12.789) R29.2 R29.2@37.842,11.8 ; VT2.3 R29.2@37.842,11.7
  Bottom Layer w0.3: v1@44.437,23.55 v1(44.444,23.55) v1@44.444,23.525
"HALL_A (5V)": C19.1 R30.2 R32.2 VT2.1 XP4.5 | length 10.3
  Top Layer w0.3: R30.2 C19.1 42.5,3.042 XP4.5 ; R30.2@36.892,6.25 VT2.1
HALL_B: DD1.11 R33.2 VT3.3 | length 4.2
  Top Layer w0.2: v1(43.5,23.5) 44.211,22.789 DD1.11
  Top Layer w0.3: VT3.3 R33.2@33.342,11.7 ; R33.2 v1(33.392,12.789)
"HALL_B (5V)": C25.1 R34.2 R35.2 VT3.1 XP4.3 | length 10.6
  Top Layer w0.3: R34.2@32.392,6.25 VT3.1 ; C25.1 35.842,6.2 35.842,3.919 36.573,3.189 38.611,3.189 XP4.3
HALL_C: DD1.12 R36.2 VT4.3 | length 4.4
  Top Layer w0.2: v1(42.5,23.5) 42.5,23.061 DD1.12
  Top Layer w0.3: R36.2 v1(28.792,12.789) ; VT4.3 R36.2@28.842,11.7 ; R36.2@28.842,11.8 R36.2@28.892,11.75
"HALL_C (5V)": C26.1 R37.2 R40.2 VT4.1 XP4.1 | length 15.8
  Top Layer w0.3: VT4.1 27.892,6.2 R40.2 C26.1 31.16,6.2 31.5,5.86 31.5,3.25 32.011,2.739 37.061,2.739 XP4.1
HI1: DD2*.18 XS1.13 | length 12
  Top Layer w0.3: XS1.13@15.92,34.19 21.335,28.775 DD2*.18
HI1_TTL: DD1.22 DD2*.2 R11.1 | length 28.7
  Top Layer w0.2: DD2*.2 22.9,23.48 22.5,23.08 22.5,20.8 26.4,16.9 30.25,16.9 ; R11.1 30.25,16.9 ; DD1.22 38.755,16.85 38.455,17.15 31.999,17.15 31.749,16.9 30.25,16.9
HI2: DD2*.16 XS1.9 | length 10.5
  Top Layer w0.3: XS1.9@21,34.19 23.94,31.25 27.5,31.25 28.25,30.5 DD2*.16
HI2_TTL: DD1.20 DD2*.4 R13.1 | length 23.3
  Top Layer w0.2: DD2*.4 25.71,19.34 26.9,18.15 31.895,18.15 32.145,18.4 v1(32.745,18.4) 34.201,18.4 34.401,18.6 38.3,18.6 39.05,17.85 DD1.20
  Top Layer w0.3: R13.1 v1(32.75,16.299)
  Bottom Layer w0.3: v1(32.75,16.299) v1@32.75,18.395
HI3: DD2*.14 XS1.5 | length 7.6
  Top Layer w0.3: XS1.5@26.08,34.19 26.56,34.19 30.79,29.96 DD2*.14
HI3_TTL: DD1.16 DD2*.6 R14.1 | length 21.8
  Top Layer w0.2: DD2*.6 28.25,19.25 28.5,19 31.645,19 31.995,19.35 32.345,19.7 35.145,19.7 v1(35.245,19.6) 35.245,19.355 35.49,19.6 37.995,19.6 38.245,19.85 DD1.16
  Top Layer w0.3: R14.1@35.245,15.25 v1(35.245,16.299)
  Bottom Layer w0.3: v1(35.245,19.6) 35.245,16.404 v1@35.25,16.399
IDC: C12.1 DD1.26 R18.2 R22.1 | length 8.7
  Top Layer w0.3: v1(8.5,32.3) C12.1 R18.2
  Bottom Layer w0.3: v1(8.5,32.3) 9.45,33.25 11.25,33.25 11.75,32.75 R22.1
IDC_IN: R18.1 XS1.17 | length 3.5
  Top Layer w0.3: R18.1 9.75,33.7 XS1.17
LED: DD1.23 R7.2 | length 39.9
  Top Layer w0.2: R7.2 12.217,7.767 12.217,11.967 14.75,14.5 38.455,14.5 38.75,14.795 38.75,15.7 39.4,16.35 DD1.23
LIMIT_L: DD1.4 R41.2 VT5.3 | length 37.8
  Top Layer w0.2: DD1.4 47.65,22.186 47.65,27.4 v1(48,27.75)
  Bottom Layer w0.3: VT5.3 R41.2 21.25,24.7 22.02,23.93 27.044,23.93 30.114,27 45.149,27 45.499,27.35 47.6,27.35 v1(48,27.75)
"Limit_L (5V)": C28.1 R42.2 R45.2 VT5.1 XS1.4 | length 17
  Bottom Layer w0.3: VT5.1 17.8,29.5 R42.2 R45.2 C28.1 23.95,33.25 26.75,33.25 27.33,33.83 27.33,36.04 XS1.4
LIMIT_R: DD1.5 R47.2 VT6.3 | length 29.7
  Top Layer w0.2: DD1.5 v1(47.211,28.25)
  Bottom Layer w0.3: VT6.3 R47.2 28.027,25.55 29.927,27.45 44.962,27.45 45.312,27.8 46.761,27.8 v1(47.211,28.25)
"Limit_R (5V)": C31.1 R48.2 R49.2 VT6.1 XS1.2 | length 13.9
  Bottom Layer w0.3: VT6.1 23.75,28 R48.2 R49.2 C31.1 29.91,33.46 29.91,36.08 XS1.2
LO1: DD2*.17 XS1.11 | length 11.6
  Top Layer w0.3: XS1.11@18.46,34.19 21.9,30.75 26.5,30.75 26.98,30.27 DD2*.17
LO1_TTL: DD1.21 DD2*.3 R12.1 | length 24.8
  Top Layer w0.2: DD2*.3 24.225,19.983 26.708,17.5 v1(31.5,17.5) 38.6,17.5 38.75,17.35 DD1.21
  Top Layer w0.3: R12.1 v1(31.5,16.299)
  Bottom Layer w0.3: v1(31.5,16.299) v1(31.5,17.5)
LO2: DD2*.15 XS1.7 | length 9.1
  Top Layer w0.3: XS1.7@23.54,34.19 25.98,31.75 28,31.75 29.52,30.23 DD2*.15
LO2_TTL: DD1.17 DD2*.5 R54*.1 | length 22.6
  Top Layer w0.2: DD2*.5 26.98,18.87 27.35,18.5 31.75,18.5 32.25,19 v1(33.953,19) 37.89,19 38.24,19.35 DD1.17
  Top Layer w0.3: R54*.1 v1(33.953,16.299)
  Bottom Layer w0.3: v1(33.953,16.299) v1(33.953,19)
LO3: DD2*.13 XS1.3 | length 8.4
  Top Layer w0.3: XS1.3@28.62,34.19 32.275,30.535 DD2*.13
LO3_TTL: DD1.15 DD2*.7 R15.1 | length 20.7
  Top Layer w0.2: DD2*.7 29.52,19.48 29.65,19.35 31.5,19.35 32.35,20.2 36.444,20.2 36.6,20.044 v1(36.6,20.2) 36.65,20.25 38.15,20.25 38.25,20.35 DD1.15
  Top Layer w0.3: R15.1@36.551,15.25 v1(36.551,16.299)
  Bottom Layer w0.3: v1@36.556,16.399 36.6,16.443 v1(36.6,20.2)
NetC1_2: C1.2 DD1.32 | length 10.2
  Top Layer w0.2: C1.2 41.35,11.134 41.966,11.75 45.642,11.75 47.711,13.82 DD1.32
NetC2_1: C2.1 DD1.34 R1.2 ZQ1.1 | length 18.2
  Top Layer w0.2: DD1.34 48.711,12.839 R1.2
  Top Layer w0.5: R1.2 48.8,11.567 47.556,10.323 47.556,7.644 49.7,5.5 51.6,5.5 ZQ1.1 C2.1
NetC3_1: C3.1 DD1.35 R1.1 ZQ1.3 | length 7.4
  Top Layer w0.2: DD1.35 49.211,14.5 50.2,13.511 R1.1
  Top Layer w0.5: ZQ1.3 50.3,10.21 C3.1 50.3,12.65 R1.1
NetDA1_4: DA1.4 R22.2 | length 4.4
  Bottom Layer w0.3: R22.2 11.75,29 12,28.75 DA1.4
NetDA1_5: DA1.5 R52*.2 R53*.1 | length 4.2
  Bottom Layer w0.3: DA1.5 R52*.2
NetDA1_11: DA1.11 R26.1 | length 4
  Bottom Layer w0.3: R26.1 DA1.11
NetDA1_12: DA1.12 R25.1 | length 4.1
  Bottom Layer w0.3: R25.1 12.75,12.75 13,13 DA1.12
NetDD1_36: DD1.36 R5.1 SRV.2 | length 9.9
  Top Layer w0.2: DD1.36 51.9,13.661 51.9,13.234 54.384,10.75 SRV.2
  Top Layer w0.3: R5.1 SRV.2
NetDD1_37: DD1.37 R9.2 | length 8.7
  Top Layer w0.2: DD1.37 50.868,16.35 52.5,14.718 52.5,13.2 53.45,12.25 R9.2
NetR2_2: R2.2 R50*.2 XP1.5 | length 4.6
  Top Layer w0.3: XP1.5@39.27,23.05 40.5,23.05 41.6,24.15 R2.2 R50*.2
NetR3_2: R3.2 VD1.1
NetR4_2: R4.2 R51*.2 XP1.3 | length 8.5
  Top Layer w0.3: XP1.3@38,23.05 38,24.6 38.25,24.85 40.1,24.85 40.75,25.5 40.75,27.22 R4.2 R51*.2
NetR6_2: R6.2 XP1.1 | length 4.8
  Top Layer w0.3: XP1.1@36.75,22.67 v1(36.75,24.7)
  Bottom Layer w0.3: v1(36.75,24.7) R6.2
NetR7_1: R7.1 R8.2 VT1.1
NetR19_2: R19.2 R23*.1 R52*.1 | length 2.8
  Bottom Layer w0.3: R52*.1 14.25,31.2 R19.2 R23*.1
NetR28_2: R28.2 VD2.1
NetR43_1: R43.1 XP5.5 | length 2.5
  Top Layer w0.3: XP5.5 19.55,1.35 R43.1
NetVD1_2: VD1.2 VT1.3
RO1(RS): DD1.47 DD3.1 | length 44.1
  Top Layer w0.2: DD1.47 50.75,21.35 52,22.6 v1(52,23.55)
  Top Layer w0.3: DD3.1 18.75,22 19.25,22.5 v1(20.75,22.5)
  Bottom Layer w0.3: v1(20.75,22.5) 26.961,22.5 30.461,26 45.422,26 45.872,26.45 49.1,26.45 v1(52,23.55)
SD: DD2*.12 XS1.1 | length 10.8
  Top Layer w0.3: XS1.1@31.16,34.19 33.98,31.37 33.98,26.48 33.52,26.02 DD2*.12
SD_TTL: DD1.14 DD2*.8 R16.1 | length 18
  Top Layer w0.2: DD2*.8@30.915,20.85 v1(37.842,20.85) DD1.14
  Top Layer w0.3: R16.1@37.837,15.25 v1(37.837,16.299)
  Bottom Layer w0.3: v1@37.842,16.399 v1(37.842,20.85)
SPI_FSS: DD1.38 XP2.6 | length 13.8
  Top Layer w0.2: DD1.38 50.863,16.85 51.713,16 51.75,16 52.85,14.9 52.85,13.4 53.25,13 55.85,13 56.75,13.9 56.75,14.85 57.9,16 XP2.6
SPI_RX: DD1.40 XP2.7 | length 6.9
  Top Layer w0.2: DD1.40 51.68,17.85 52.75,16.78 52.75,15.5 54.25,14 XP2.7
SPI_SCK: DD1.39 XP2.8 | length 4.3
  Top Layer w0.2: DD1.39 51.211,17.35 v1(51.961,16.6)
  Top Layer w0.3: v1(57.5,14) XP2.8
SPI_TX: DD1.41 XP2.5 | length 11.1
  Top Layer w0.2: DD1.41 52.75,18.35 53,18.6 53,18.604 53.246,18.85 55.9,18.85 56.5,18.25 56.5,16.25 56.25,16 XP2.5
SWCLK: DD1.8 R4.1 | length 7.3
  Top Layer w0.2: R4.1 44.78,27.22 45.711,26.289 DD1.8
SWDIO: DD1.9 R2.1 | length 4.6
  Top Layer w0.2: R2.1 44.83,24.72 45.211,24.339 DD1.9
TZ: C32*.1 DA1.3 DD1.13 R20.2 R53*.2 | length 7.8
  Top Layer w0.2: v1(41.75,22.25) 42.65,21.35 DD1.13
  Bottom Layer w0.3: C32*.1 R20.2 10.5,29 11,28.5 DA1.3
UART_RX: DD1.45 XP2.1 | length 4.7
  Top Layer w0.2: DD1.45 52.4,20.35 52.75,20 XP2.1
UART_TX: DD1.44 XP2.2 | length 10.1
  Top Layer w0.2: DD1.44 52.38,19.85 52.98,19.25 56.9,19.25 57.65,20 XP2.2
UDC: C13.2 DD1.27 R21.2 | length 1.2
  Top Layer w0.3: C13.2 R21.2
UDC_IN: R21.1 XS1.15 | length 3.6
  Top Layer w0.3: R21.1 12.25,33.66 XS1.15
pads on no net: DA1.1 DA1.2 DA1.7 DA1.8 DA1.9 DA1.10 DA1.13 DA1.15 DA1.16 DD3.10 VD3. VT1. VT2. VT3. VT4. VT5. VT6. XP1. XP4.0 XP4.6 XP5.0 XS1.10 XS1.12 ZQ1. ZQ1.2 ZQ1.4

## Keep-outs
Top Layer:
  lines w0.02: 1.4,3 ccw(c3.5,3) 5.6,3 5.6,6 ccw(c3.5,6) 1.4,6 1.4,3 ; 1.4,24 ccw(c3.5,24) 5.6,24 5.6,27 ccw(c3.5,27) 1.4,27 1.4,24 ; 55.9,3 ccw(c58,3) 60.1,3 60.1,6 ccw(c58,6) 55.9,6 55.9,3
  lines w0.02 net UART_TX: 55.9,24 ccw(c58,24) 60.1,24 60.1,27 ccw(c58,27) 55.9,27 55.9,24
Bottom Layer:
  lines w0.02: 1.4,6 cw(c3.5,6) 5.6,6 ; 1.4,24 ccw(c3.5,24) 5.6,24 5.6,27 ccw(c3.5,27) 1.4,27 1.4,24 ; 55.9,3 ccw(c58,3) 60.1,3 60.1,6 ccw(c58,6) 55.9,6 55.9,3 ; 55.9,24 ccw(c58,24) 60.1,24 60.1,27 ccw(c58,27) 55.9,27 55.9,24
  lines w0.02 net +5V(D): 1.4,6 1.4,3 ccw(c3.5,3) 5.6,3 5.6,6
Keep-Out Layer:
  the board outline again, w0.2

## Text inside footprints (layer, text, board x,y; h text height)
XP4: Bottom Overlay "1" at 38.8,4.3 h1 r90; Bottom Overlay "5" at 42.975,4.575 h1 r90
XP5: Bottom Overlay "1" at 16.05,4.2 h2 r90; Bottom Overlay "9" at 24,4.327 h2 r90